# Allegro board LAUNCHXL-CC2640R2.brd (continued)
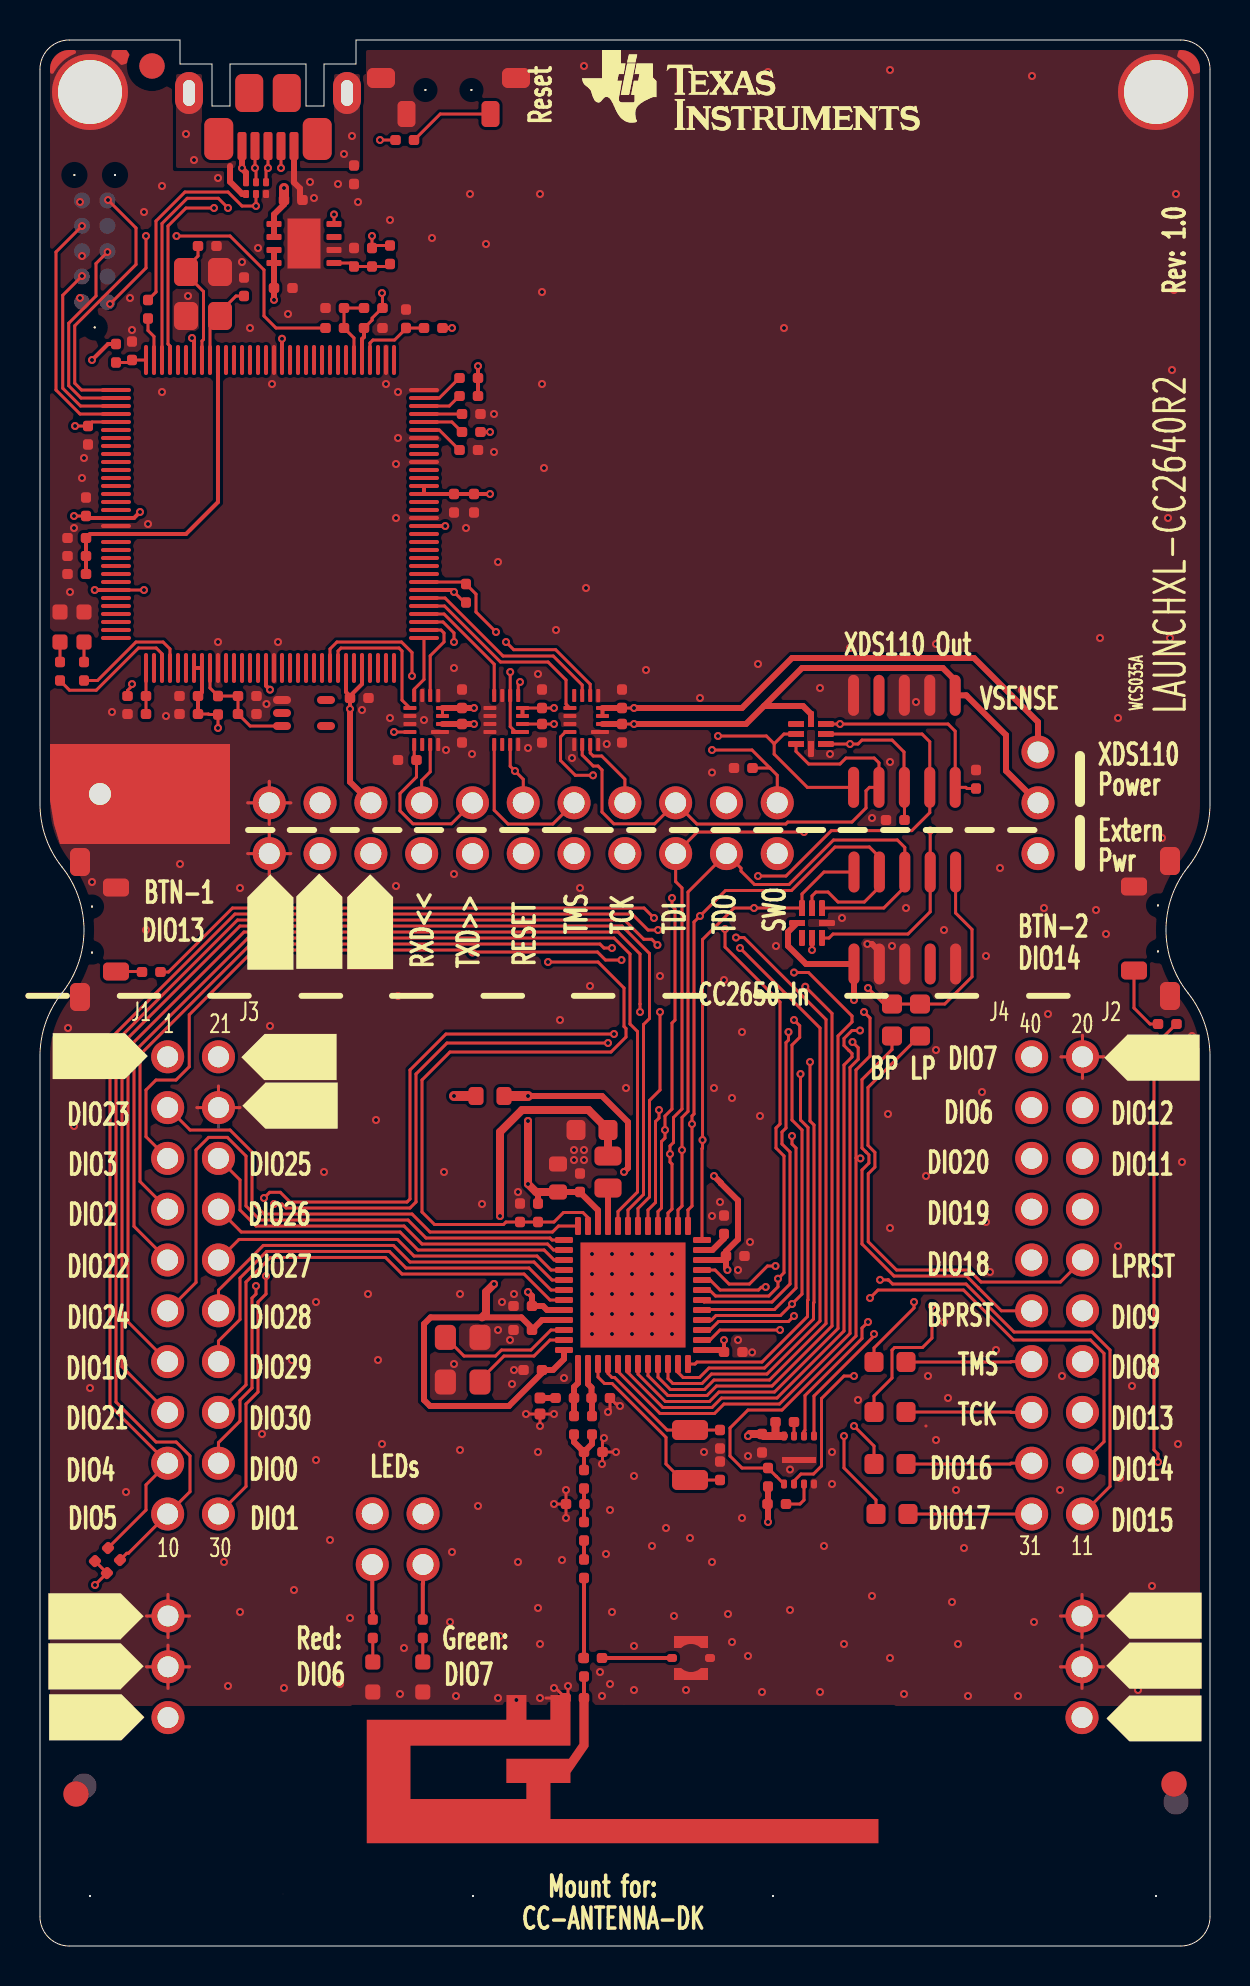
[diagram p0: board, top side]
## Routing (per net, layer and track width the routed paths; a pad name or vN(x,y) marks a point on that pad's centre or on a via; arc(x,y) is an arc through that point) (continued)
N949215: length 3.8
  TOP w0.15: U5.70 15.7,80.4 R20.1 R21.1 R17.1
N949243: length 2.1
  TOP w0.15: R30.1 21.09,75.7 20.59,76.2 U5.60
N949263: length 2.9
  TOP w0.15: R33.1 17.38,83.98 C47.2 R34.2 15.53,84.15 U7.5
N949375: length 2.2
  TOP w0.15: U5.59 19.96,75.8 20.96,74.8 R28.2
N949517: length 2.3
  TOP w0.15: R24.1 R22.1 U5.1
N949687: length 6.3
  TOP w0.15: U5.89 8.1,80.25 8.18,80.33 8.18,82.72 7.3,83.6 Y3.3 7.3,83.9 7.9,84.5 7.9,84.9
  TOP w0.2: C34.1 7.9,84.9
N949695: length 4.1
  TOP w0.15: U5.88 8.5,81 Y3.1 9,81.7 9.8,82.5 C33.1
N950083: length 5.9
  TOP w0.15: U5.9 8.5,62.9 R18.1 C32.1 C50.1 9.91,61.6 10.5,61 U6.3
N950235: length 2.2
  TOP w0.15: U5.95 5.7,80.48 5.4,80.77 R67.2 5.4,81.4
N951001: length 2.2
  TOP w0.15: R39.2 20.96,78.4 19.96,77.4 U5.63
N951013: length 1.9
  TOP w0.15: U5.61 R29.1
N951017: length 2
  TOP w0.15: 19.2,77 20.46,77 20.96,77.5 R27.2
N952443: length 3.9
  TOP w0.15: 18.33,80.9 R31.1 ; 18.33,80.9 C46.1 ; 18.33,80.9 17.73,80.3 16.65,80.3 16.5,80.15 U5.68
N1004371: length 7
  TOP w0.15: U5.3 6.1,64.61 5.81,64.9 4.93,64.9 2.81,62.79 1.47,62.79 1,63.26 R23.2
N1004534: length 6.2
  TOP w0.15: R25.2 2.88,63.28 4.8,65.2 6.15,65.2 6.5,64.85 U5.4
N1013277: length 6.9
  TOP w0.15: U1.46 25.55,30.8 24.55,29.8 23.08,29.8 22.78,29.5 21.2,29.5 Y2.3
N1013851: length 2.7
  TOP w0.3: U1.2 27.4,28.1 27.58,27.92 C21.2 27.6,27.38 L21.1
N1013859: length 2.7
  TOP w0.3: U1.1 26.9,28.15 26.7,27.95 L11.1 C11.1
N1013883: length 0.9
  TOP w0.3: 25.9,27.4 L11.2 C31.1
N1013899: length 3
  TOP w0.2: L12.1 C12.1
  TOP w0.3: L21.2 27.6,25.1 C12.1 26.7,25.2 C11.2
N1013927: length 1.7
  TOP w0.2: L12.2 27.2,22.12 C13.2 27.2,22.08 L13.1
N1013977: length 1.1
  TOP w0.2: C51.2 C15.1
N1014081: length 1.6
  TOP w0.3: U1.23 33.62,34.8 34.2,35.38 C19.1
N1014101: length 9.7
  TOP w0.15: U1.3 27.9,28.45 28.22,28.12 28.61,28.12 31.3,25.43 31.3,24.1 32.1,23.3 Y1.1 C17.1
N1014113: length 7.2
  TOP w0.15: U1.4 28.4,28.62 28.6,28.43 28.73,28.43 31.36,25.8 Y1.2 32.6,25.8 C18.1
N1014125: length 4
  TOP w0.2: C24.1 C51.1
N1014335: length 1
  TOP w0.2: L13.2 C24.2
N1018937: length 5.1
  TOP w0.15: Y2.1 22,28.3 23.2,29.5 24.7,29.5 25.5,30.3 U1.47
N1031635: length 1.8
  TOP w0.3: CR6.1 10.11,87.6 9.5,88.21 9.5,89
  vias: v1(7.3,90.6) v1(7.7,89.3) v1(15.2,89.6) v1(15.6,90.5)
N1105722: length 1.2
  TOP w0.15: CR1.2 R15.1
N1105771: length 1.2
  TOP w0.15: CR2.2 R14.1
N1105824: length 2.9
  TOP w0.2: 16.64,16.2 R14.2 16.64,16.7 16.61,16.73 P6.1
N1106228: length 2.9
  TOP w0.2: P6.3 19.15,18.12 19.14,18.11 R15.2 19.14,16.2
N1176544: length 6.3
  TOP w0.15: R46.1 48.53,29.2 48.56,29.22 J2.13
N1176548: length 6.3
  TOP w0.15: R47.1 48.53,26.7 48.56,26.68 J2.15
N1176568: length 6.3
  TOP w0.15: J2.17 48.56,24.14 48.51,24.1 R48.1
N1177007: length 6.2
  TOP w0.15: R49.1 J2.19
N1288065: length 3.4
  TOP w0.15: R55.1 55.5,46.1 54.7,46.9 SW2.3
N1288098: length 1.3
  TOP w0.15: R56.1 5.07,48.72 SW1.4
N1384129: length 4.4
  TOP w0.15: SW3.3 20.01,91.6 18.71,90.3 R57.1
N1409884: length 1.8
  TOP w0.15: R59.1 38,22.1 38.2,22.3 U4.3
N1409917: length 0.7
  TOP w0.15: U4.7 R60.1
N1429173: length 3.5
  TOP w0.2: C58.1 P11.1
N1432281: length 1.6
  TOP w0.15: R66.2 4.48,79.18 C59.1 U5.96
N10367920: length 1
  TOP w0.15: R25.1 CR5.2
N10368080: length 1
  TOP w0.15: R23.1 CR4.2

## Copper pours and planes (outline as drawn; the poured copper is in the pictures)
GND on TOP (solid shape): 9.5,55.1 1,55.1 0.7,56.1 0.5,57.3 0.5,60.1 9.5,60.1
GND on BOTTOM (solid shape): 9.5,55.1 1,55.1 0.7,56.1 0.5,57.3 0.5,60.1 9.5,60.1
GND on TOP: 25.8,13.9 25.8,12 29.3,12 29.3,13.9
GND on TOP: 0.5,12 0.5,44.5 0.76,46 1.49,47.34 2.7,50.8 1.49,54.26 0.76,55.6 0.5,57.1 0.5,93.84 0.78,94.52 1.46,94.8 6.5,94.8 6.5,93.6 8.1,93.6 8.1,91.5 10,91.5 10,93.6 12.8,93.6 12.8,91.5 14.7,91.5 14.7,93.6 16.3,93.6 16.3,94.8 57.04,94.8 57.72,94.52 58,93.84 58,57.1 57.74,55.6 57.01,54.26 55.8,50.8 57.01,47.34 57.74,46 58,44.5 58,12 29.1,12 29.1,13.7 25.9,13.7 25.9,12 ; 41 cut-outs
GND on TOP: 24.2,27.9 24.2,21.2 29.2,21.2 29.2,27.9
GND on TOP: 0.5,90.1 0.5,93.84 0.78,94.52 1.46,94.8 6.5,94.8 6.5,93.6 6.6,93.6 6.6,90.1
GND on TOP, BOTTOM: 53.3,90.2 53.3,94.8 57.04,94.8 57.72,94.52 58,93.84 58,90.2
GND on BOTTOM: 0.5,12.1 0.5,44.5 0.76,46 1.49,47.34 2.7,50.7 1.62,54.1 1.55,54.18 1.49,54.26 1.3,54.52 1.12,54.8 0.66,55.91 0.5,57.1 0.5,57.29 0.5,57.3 0.5,93.84 0.78,94.52 1.46,94.8 6.5,94.8 6.5,93.6 8.1,93.6 8.1,91.5 10,91.5 10,93.6 12.8,93.6 12.8,91.5 14.7,91.5 14.7,93.6 16.3,93.6 16.3,94.8 57.04,94.8 57.72,94.52 58,93.84 58,93.6 58,60.8 58,57.1 57.9,56.3 57.84,56 57.86,56 57.53,55.08 57.01,54.26 55.8,50.8 57.01,47.34 57.74,46 58,44.5 58,12.1
GND on BOTTOM: 0.5,90.3 0.5,93.84 0.78,94.52 1.46,94.8 5.1,94.8 5.1,90.3
GND on L2: 0.5,12.1 0.5,44.5 0.76,46 1.49,47.34 2.7,50.8 1.49,54.26 0.97,55.09 0.64,56 0.66,56 0.6,56.3 0.5,57.3 0.5,93.84 0.78,94.52 1.46,94.8 6.5,94.8 6.5,93.6 8.1,93.6 8.1,91.5 10,91.5 10,93.6 12.8,93.6 12.8,91.5 14.7,91.5 14.7,93.6 16.3,93.6 16.3,94.8 57.04,94.8 57.72,94.52 58,93.84 58,93.6 58,57.3 58,57.1 57.9,56.3 57.84,56 57.86,56 57.53,55.08 57.01,54.26 55.8,50.8 57.01,47.34 57.74,46 58,44.5 58,12.1 ; 2 cut-outs
Net_205 on TOP (solid shape): 24.32,11.31 25.52,11.31 25.52,12.05 26.52,12.05 26.52,10.02 18.52,10.02 18.52,7.35 24.32,7.35 24.32,8.15 23.32,8.15 23.32,9.36 26.45,9.36 26.97,10.12 26.97,12.05 27.43,12.05 27.43,9.97 26.52,8.65 26.52,8.15 25.52,8.15 25.52,6.35 41.92,6.35 41.92,5.14 16.34,5.14 16.34,11.31 23.32,11.31 23.32,12.05 24.32,12.05
USB_VBUS on L3: 10.3,89.9 12.4,89.9 14.9,87.4 14.9,86.3 14.3,85.7 8.9,85.7 7.9,86.7 7.9,87.5
XDS_VCC on L3: 7.54,60.1 7.5,60.11 7.47,60.13 6.59,61.01 6.57,61.04 6.56,61.08 6.55,61.21 6.56,61.25 6.57,61.28 6.55,61.75 6.08,61.77 6.05,61.76 6.01,61.75 5.88,61.76 5.84,61.77 5.81,61.79 5.03,62.57 5.01,62.6 5,62.64 5,63.1 4.97,63.25 4.88,63.38 1.18,67.08 1.16,67.12 1.15,67.15 1.15,67.17 1.16,67.21 1.19,67.25 1.32,67.34 1.34,67.36 1.38,67.36 1.42,67.36 1.85,67.7 1.42,68.04 1.34,68.04 1.32,68.06 1.19,68.15 1.16,68.19 1.15,68.23 1.15,69.2 0.6,69.2 0.6,74.2 1.15,74.2 1.15,78.8 1.18,78.87 1.25,78.9 2.6,78.9 3,79.3 2.6,79.7 1.25,79.7 1.18,79.73 1.15,79.8 1.15,81.91 1.16,81.95 1.18,81.98 3.37,84.17 3.4,84.19 3.44,84.2 9.66,84.2 9.72,84.18 9.76,84.12 10.1,83.85 10.44,84.12 10.48,84.18 10.54,84.2 21.06,84.2 21.1,84.19 21.13,84.17 23.07,82.23 23.09,82.2 23.1,82.16 23.1,77.12 23.09,77.07 23.06,77.03 22.93,76.94 22.9,76.93 22.87,76.93 22.83,76.93 22.81,76.93 22.35,76.6 22.81,76.27 22.83,76.27 22.87,76.27 22.9,76.27 22.93,76.25 23.06,76.17 23.09,76.13 23.1,76.08 23.1,75.21 23.09,75.17 23.06,75.13 22.93,75.05 22.9,75.03 22.87,75.03 22.83,75.03 22.81,75.03 22.35,74.7 22.81,74.37 22.83,74.37 22.87,74.37 22.9,74.37 22.93,74.36 23.06,74.27 23.09,74.23 23.1,74.19 23.1,69.75 23.09,69.71 23.07,69.68 22.97,69.58 22.94,69.56 22.9,69.55 22.55,69.2 22.9,68.85 22.94,68.84 22.97,68.82 23.07,68.72 23.09,68.69 23.09,68.6 23.07,68.57 16.59,62.09 16.56,62.07 16.52,62.06 16.39,62.05 16.35,62.06 16.32,62.07 15.85,62.05 15.83,61.58 15.84,61.55 15.85,61.51 15.84,61.38 15.83,61.34 15.81,61.31 14.63,60.13 14.6,60.11 14.56,60.1
N1031635 on TOP: 6.8,88.9 6.8,93.6 8.1,93.6 8.1,91.5 10,91.5 10,93.6 12.8,93.6 12.8,91.7 14.5,91.7 14.5,91.1 14.7,91.1 14.7,91.7 14.7,93.6 16,93.6 16,88.9 ; 1 cut-out
N1031635 on BOTTOM, L2: 6.8,88.9 6.8,93.6 8.1,93.6 8.1,91.5 10,91.5 10,93.6 12.8,93.6 12.8,91.5 14.7,91.5 14.7,93.6 16,93.6 16,88.9
GND on TOP (solid shape): 57.04,94.8 57.72,94.52 58,93.84 58,93.74 57.98,93.68 57.92,93.64 57.73,93.6 57.67,93.6 57.62,93.65 57.31,94.09 56.91,94.43 56.87,94.48 56.86,94.54 56.92,94.73 56.95,94.78 57.01,94.8
GND on TOP (solid shape): 1.7,94.8 1.77,94.77 1.78,94.64 1.74,94.61 1.13,94.23 0.69,93.67 0.65,93.63 0.53,93.64 0.5,93.71 0.5,93.84 0.78,94.52 1.46,94.8
GND on TOP: 26.9,58.76 26.86,58.77 26.83,58.79 26.28,59.34 26.26,59.37 26.25,59.41 26.25,60.32 26.26,60.36 26.28,60.39 26.31,60.42 26.34,60.44 26.38,60.45 26.76,60.45 26.83,60.42 26.86,60.35 26.86,59.8 26.86,59.76 26.88,59.7 26.88,59.5 26.89,59.46 26.91,59.43 26.98,59.35 26.98,59.33 27.38,58.93 27.41,58.88 27.4,58.82 27.37,58.78 27.31,58.76
GND on TOP: 38.57,59.33 38.53,59.33 38.5,59.36 38.23,59.63 38.2,59.68 38.2,59.74 38.24,59.78 38.3,59.8 38.35,59.85 38.35,60.7 38.38,60.77 38.45,60.8 38.65,60.8 38.72,60.77 38.75,60.7 38.75,59.9 38.78,59.83 38.85,59.8 39.63,59.8 39.7,59.81 39.8,59.87 39.83,59.87 40.19,59.87 40.23,59.87 40.26,59.85 40.3,59.81 40.33,59.77 40.31,59.66 40.24,59.63 40.23,59.63 40.19,59.61 39.94,59.36 39.9,59.33 39.87,59.33

Small or netless copper shapes (teardrops, artwork), in the pictures only: 1 on TOP

## Text on the board
Ref Des/Silkscreen Bottom: J1 | 1 | 10 | 21 | 30 | J3 | J4 | 31 | 40 | 11 | 20 | J2 | DIO23 | DIO22 | DIO24 | DIO3 | DIO2 | DIO0 | DIO1 | DIO25 | DIO27 | DIO28 | DIO29 | DIO30 | DIO26 | For evaluation only; | not FCC approved for resale | DIO7 | DIO6 | DIO20 | DIO19 | DIO18 | BPRST | DIO9 | DIO8 | DIO12 | DIO11 | LPRST | DIO13 | DIO14 | DIO15 | DIO10 | DIO21 | DIO4 | DIO5 | TMS | TCK | DIO16 | DIO17
Ref Des/Silkscreen Top: WCS035A | J1 | 10 | 1 | 21 | 30 | J3 | J4 | 40 | 31 | 20 | 11 | J2 | DIO23 | DIO22 | DIO24 | DIO3 | DIO2 | DIO13 | BTN-1 | DIO26 | DIO25 | DIO27 | DIO28 | DIO29 | DIO30 | DIO0 | DIO1 | Red: | DIO6 | LEDs | Green: | DIO7 | CC-ANTENNA-DK | Mount for: | CC2650 In | XDS110 Out | BP | LP | DIO20 | DIO19 | DIO18 | BPRST | VSENSE | BTN-2 | DIO14 | XDS110 | Power | Extern | Pwr | DIO12 | DIO11 | LPRST | DIO9 | DIO8 | DIO15 | DIO10 | DIO21 | DIO4 | DIO5 | DIO17 | DIO16 | TMS | TCK | RXD<< | TXD>> | RESET | Reset | TDI | TDO | SWO | Rev: 1.0 | LAUNCHXL-CC2640R2
XSECTION_CHART: L1: TOP CONDUCTOR - COPPER 0.035 MM | *  DIELECTRIC - FR-4 0.175 MM | L2: L2 PLANE - COPPER 0.035 MM | *  DIELECTRIC - FR-4 1.11 MM | L3: L3 PLANE - COPPER 0.035 MM | L4: BOTTOM CONDUCTOR - COPPER 0.035 MM | DESIGN CROSS SECTION CHART | ___________________________ | TOTAL THICKNESS 1.6 MM
User.6: FIGURE | SIZE | 0.2 | 0.201 | 1.05 | 1.1 | 3.2 | 0.899 | 1.001 | 1.3x0.6 | DRILL CHART: TOP to BOTTOM | ALL UNITS ARE IN MILLIMETERS | PLATED | NON-PLATED | QTY | 384 | 25 | 75 | 1 | 2 | 6 | 3 | 4
